# KiCad board protoboard-6x4-breakout.kicad_pcb (continued)
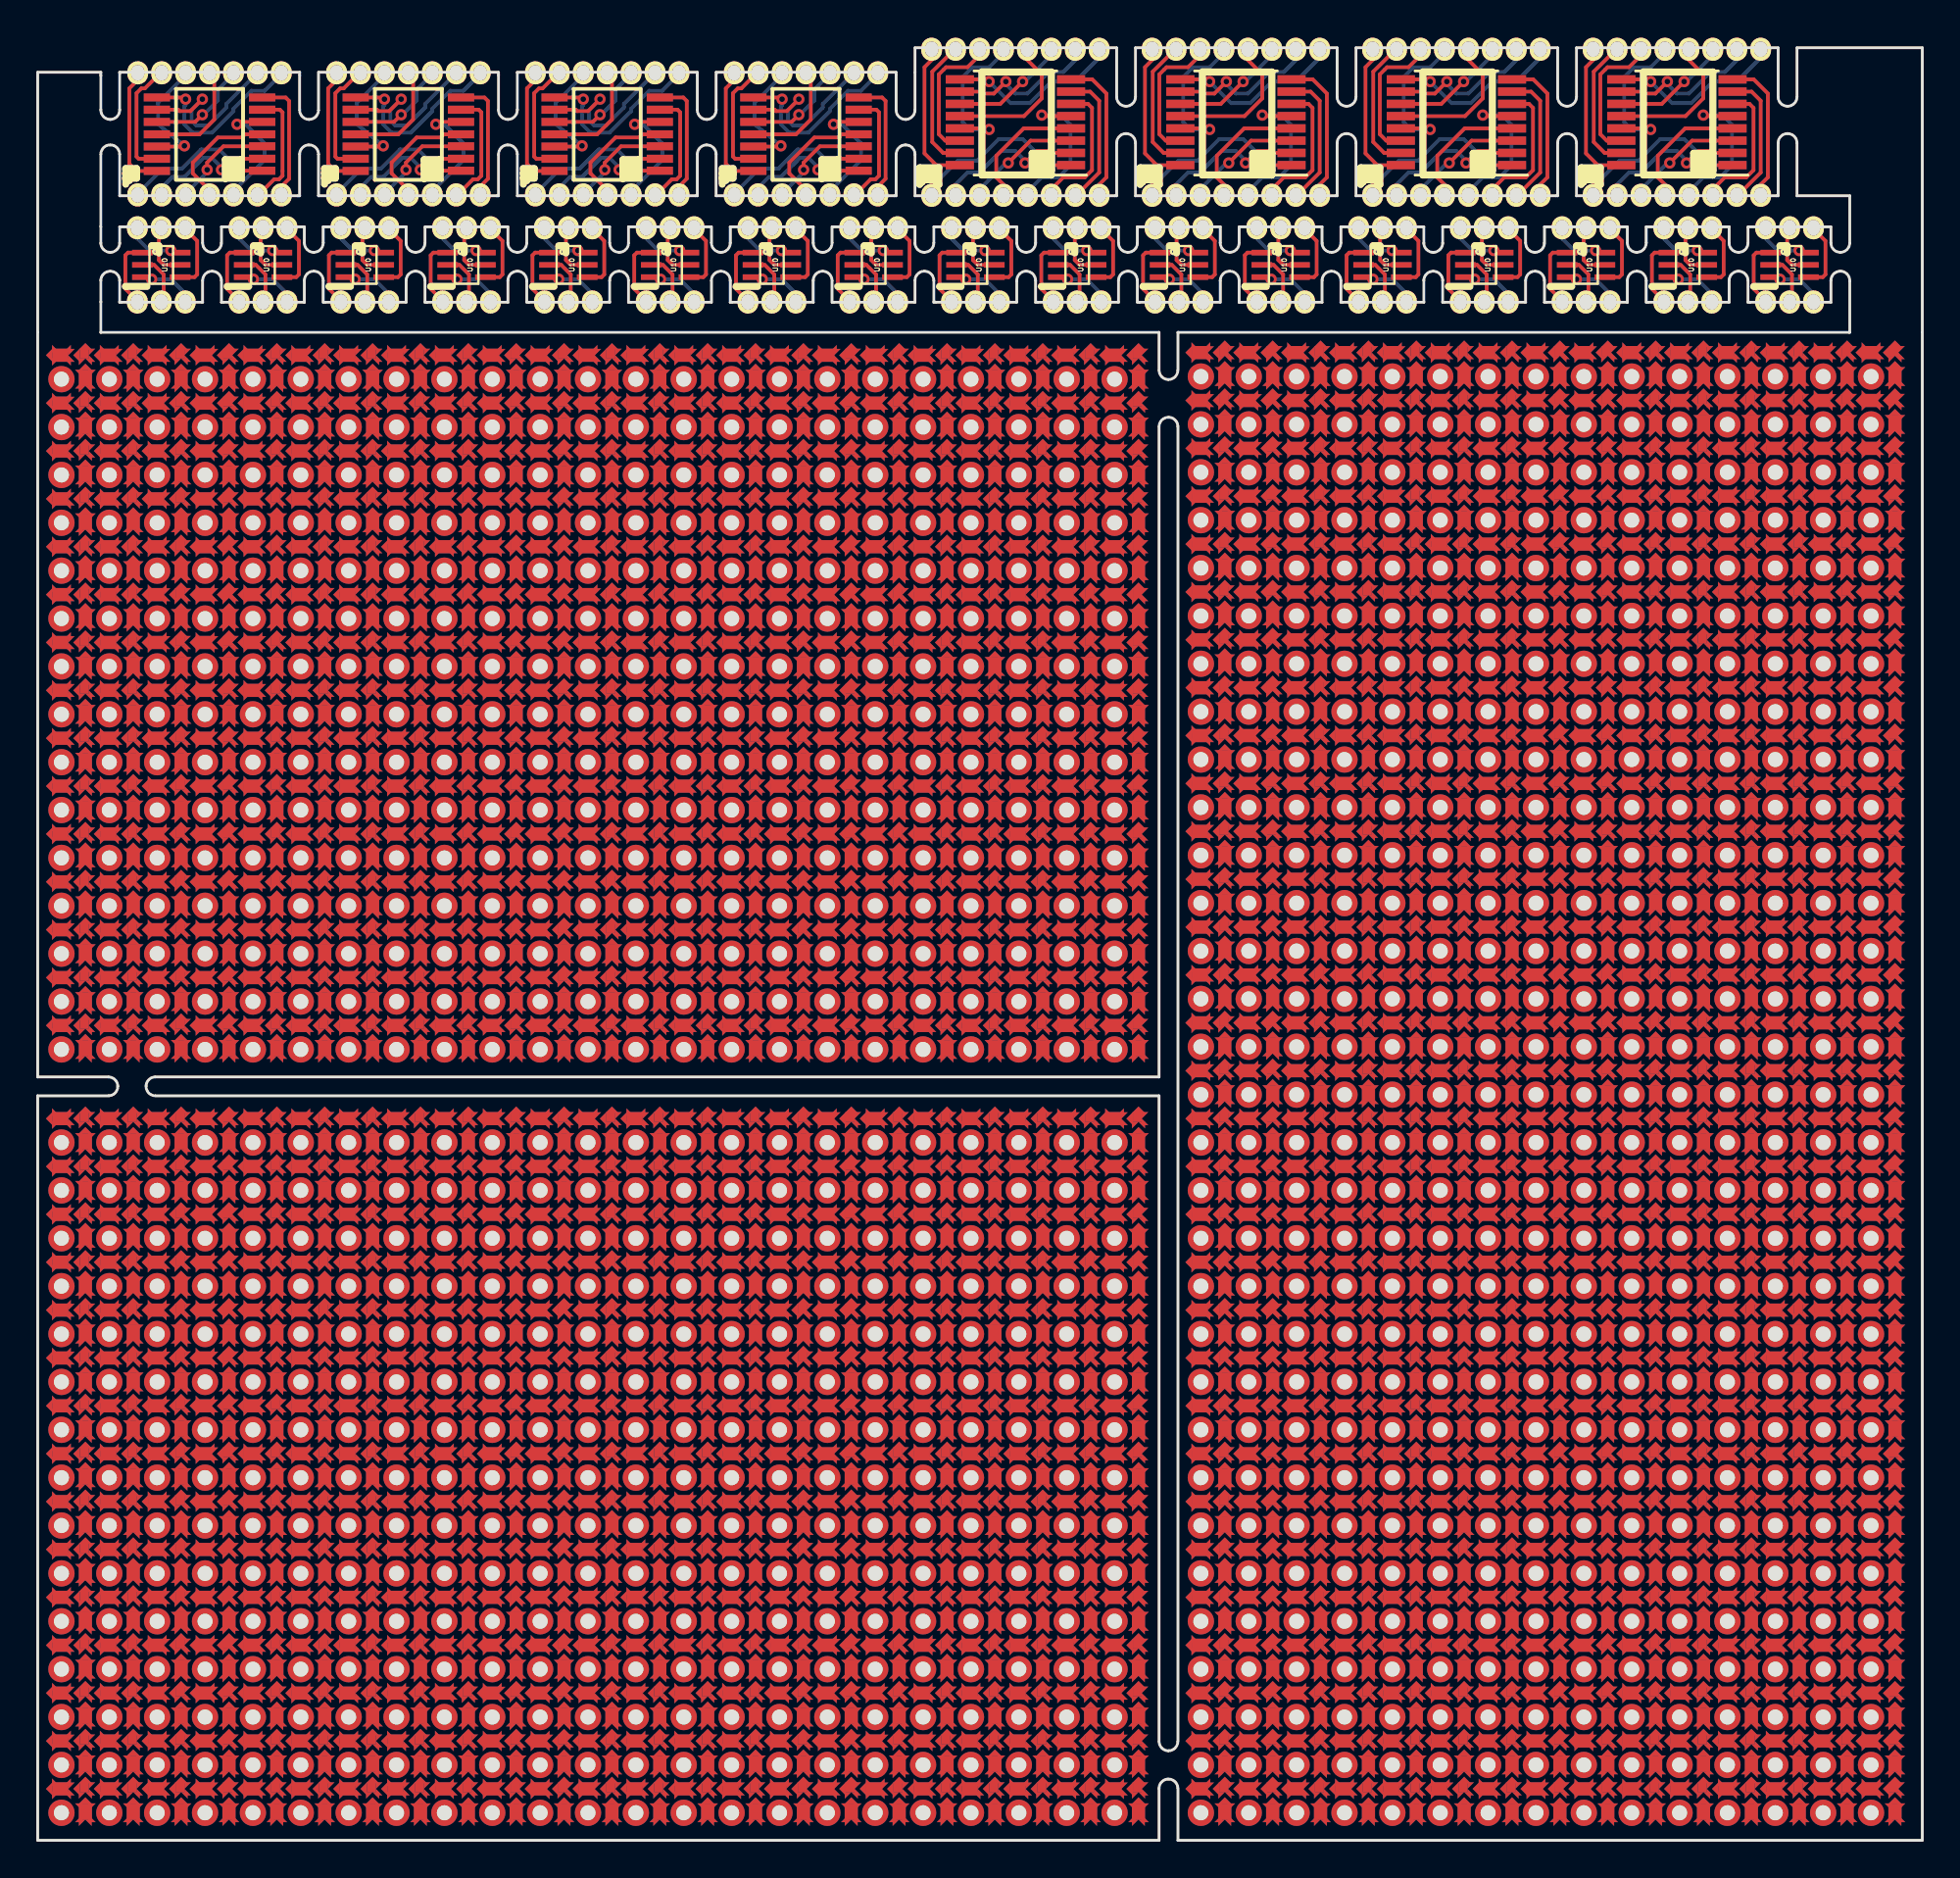
[diagram p0: board, top side]
## Nets (continued)
 REF**#2936 1; REF**#2937 1; REF**#2938 1; REF**#2939 1; REF**#2940 1; REF**#2941 1; REF**#2942 1; REF**#2943 1; REF**#2944 1; REF**#2945 1; REF**#2946 1; REF**#2947 1; REF**#2948 1; REF**#2949 1; REF**#2950 1; REF**#2951 1; REF**#2952 1; REF**#2953 1; REF**#2954 1; REF**#2955 1; REF**#2956 1; REF**#2957 1; REF**#2958 1; REF**#2959 1; REF**#2960 1; REF**#2961 1; REF**#2962 1; REF**#2963 1; REF**#2964 1; REF**#2965 1; REF**#2966 1; REF**#2967 1; REF**#2968 1; REF**#2969 1; REF**#2970 1; REF**#2971 1; REF**#2972 1; REF**#2973 1; REF**#2974 1; REF**#2975 1; REF**#2976 1; REF**#2977 1; REF**#2978 1; REF**#2979 1; REF**#2980 1; REF**#2981 1; REF**#2982 1; REF**#2983 1; REF**#2984 1; REF**#2985 1; REF**#2986 1; REF**#2987 1; REF**#2988 1; REF**#2989 1; REF**#2990 1; REF**#2991 1; REF**#2992 1; REF**#2993 1; REF**#2994 1; REF**#2995 1; REF**#2996 1; REF**#2997 1; REF**#2998 1; REF**#2999 1; REF**#3000 1; REF**#3001 1; REF**#3002 1; REF**#3003 1; REF**#3004 1; REF**#3005 1; REF**#3006 1; REF**#3007 1; REF**#3008 1; REF**#3009 1; REF**#3010 1; REF**#3011 1; REF**#3012 1; REF**#3013 1; REF**#3014 1; REF**#3015 1; REF**#3016 1; REF**#3017 1; REF**#3018 1; REF**#3019 1; REF**#3020 1; REF**#3021 1; REF**#3022 1; REF**#3023 1; REF**#3024 1; REF**#3025 1; REF**#3026 1; REF**#3027 1; REF**#3028 1; REF**#3029 1; REF**#3030 1; REF**#3031 1; REF**#3032 1; REF**#3033 1; REF**#3034 1; REF**#3035 1; REF**#3036 1; REF**#3037 1; REF**#3038 1; REF**#3039 1; REF**#3040 1; REF**#3041 1; REF**#3042 1; REF**#3043 1; REF**#3044 1; REF**#3045 1; REF**#3046 1; REF**#3047 1; REF**#3048 1; REF**#3049 1; REF**#3050 1; REF**#3051 1; REF**#3052 1; REF**#3053 1; REF**#3054 1; REF**#3055 1; REF**#3056 1; REF**#3057 1; REF**#3058 1; REF**#3059 1; REF**#3060 1; REF**#3061 1; REF**#3062 1; REF**#3063 1; REF**#3064 1; REF**#3065 1; REF**#3066 1; REF**#3067 1; REF**#3068 1; REF**#3069 1; REF**#3070 1; REF**#3071 1; REF**#3072 1; REF**#3073 1; REF**#3074 1; REF**#3075 1; REF**#3076 1; REF**#3077 1; REF**#3078 1; REF**#3079 1; REF**#3080 1; REF**#3081 1; REF**#3082 1; REF**#3083 1; REF**#3084 1; REF**#3085 1; REF**#3086 1; REF**#3087 1; REF**#3088 1; REF**#3089 1; REF**#3090 1; REF**#3091 1; REF**#3092 1; REF**#3093 1; REF**#3094 1; REF**#3095 1; REF**#3096 1; REF**#3097 1; REF**#3098 1; REF**#3099 1; REF**#3100 1; REF**#3101 1; REF**#3102 1; REF**#3103 1; REF**#3104 1; REF**#3105 1; REF**#3106 1; REF**#3107 1; REF**#3108 1; REF**#3109 1; REF**#3110 1; REF**#3111 1; REF**#3112 1; REF**#3113 1; REF**#3114 1; REF**#3115 1; REF**#3116 1; REF**#3117 1; REF**#3118 1; REF**#3119 1; REF**#3120 1; REF**#3121 1; REF**#3122 1; REF**#3123 1; REF**#3124 1; REF**#3125 1; REF**#3126 1; REF**#3127 1; REF**#3128 1; REF**#3129 1; REF**#3130 1; REF**#3131 1; REF**#3132 1; REF**#3133 1; REF**#3134 1; REF**#3135 1; REF**#3136 1; REF**#3137 1; REF**#3138 1; REF**#3139 1; REF**#3140 1; REF**#3141 1; REF**#3142 1; REF**#3143 1; REF**#3144 1; REF**#3145 1; REF**#3146 1; REF**#3147 1; REF**#3148 1; REF**#3149 1; REF**#3150 1; REF**#3151 1; REF**#3152 1; REF**#3153 1; REF**#3154 1; REF**#3155 1; REF**#3156 1; REF**#3157 1; REF**#3158 1; REF**#3159 1; REF**#3160 1; REF**#3161 1; REF**#3162 1; REF**#3163 1; REF**#3164 1; REF**#3165 1; REF**#3166 1; REF**#3167 1; REF**#3168 1; REF**#3169 1; REF**#3170 1; REF**#3171 1; REF**#3172 1; REF**#3173 1; REF**#3174 1; REF**#3175 1; REF**#3176 1; REF**#3177 1; REF**#3178 1; REF**#3179 1; REF**#3180 1; REF**#3181 1; REF**#3182 1; REF**#3183 1; REF**#3184 1; REF**#3185 1; REF**#3186 1; REF**#3187 1; REF**#3188 1; REF**#3189 1; REF**#3190 1; REF**#3191 1; REF**#3192 1; REF**#3193 1; REF**#3194 1; REF**#3195 1; REF**#3196 1; REF**#3197 1; REF**#3198 1; REF**#3199 1; REF**#3200 1; REF**#3201 1; REF**#3202 1; REF**#3203 1; REF**#3204 1; REF**#3205 1; REF**#3206 1; REF**#3207 1; REF**#3208 1; REF**#3209 1; REF**#3210 1; REF**#3211 1; REF**#3212 1; REF**#3213 1; REF**#3214 1; REF**#3215 1; REF**#3216 1; REF**#3217 1; REF**#3218 1; REF**#3219 1; REF**#3220 1; REF**#3221 1; REF**#3222 1; REF**#3223 1; REF**#3224 1; REF**#3225 1; REF**#3226 1; REF**#3227 1; REF**#3228 1; REF**#3229 1; REF**#3230 1; REF**#3231 1; REF**#3232 1; REF**#3233 1; REF**#3234 1; REF**#3235 1; REF**#3236 1; REF**#3237 1; REF**#3238 1; REF**#3239 1; REF**#3240 1; REF**#3241 1; REF**#3242 1; REF**#3243 1; REF**#3244 1; REF**#3245 1; REF**#3246 1; REF**#3247 1; REF**#3248 1; REF**#3249 1; REF**#3250 1; REF**#3251 1; REF**#3252 1; REF**#3253 1; REF**#3254 1; REF**#3255 1; REF**#3256 1; REF**#3257 1; REF**#3258 1; REF**#3259 1; REF**#3260 1; REF**#3261 1; REF**#3262 1; REF**#3263 1; REF**#3264 1; REF**#3265 1; REF**#3266 1; REF**#3267 1; REF**#3268 1; REF**#3269 1; REF**#3270 1; REF**#3271 1; REF**#3272 1; REF**#3273 1; REF**#3274 1; REF**#3275 1; REF**#3276 1; REF**#3277 1; REF**#3278 1; REF**#3279 1; REF**#3280 1; REF**#3281 1; REF**#3282 1; REF**#3283 1; REF**#3284 1; REF**#3285 1; REF**#3286 1; REF**#3287 1; REF**#3288 1; REF**#3289 1; REF**#3290 1; REF**#3291 1; REF**#3292 1; REF**#3293 1; REF**#3294 1; REF**#3295 1; REF**#3296 1; REF**#3297 1; REF**#3298 1; REF**#3299 1; REF**#3300 1; REF**#3301 1; REF**#3302 1; REF**#3303 1; REF**#3304 1; REF**#3305 1; REF**#3306 1; REF**#3307 1; REF**#3308 1; REF**#3309 1; REF**#3310 1; REF**#3311 1; REF**#3312 1; REF**#3313 1; REF**#3314 1; REF**#3315 1; REF**#3316 1; REF**#3317 1; REF**#3318 1; REF**#3319 1; REF**#3320 1; REF**#3321 1; REF**#3322 1; REF**#3323 1; REF**#3324 1; REF**#3325 1; REF**#3326 1; REF**#3327 1; REF**#3328 1; REF**#3329 1; REF**#3330 1; REF**#3331 1; REF**#3332 1; REF**#3333 1; REF**#3334 1; REF**#3335 1; REF**#3336 1; REF**#3337 1; REF**#3338 1; REF**#3339 1; REF**#3340 1; REF**#3341 1; REF**#3342 1; REF**#3343 1; REF**#3344 1; REF**#3345 1; REF**#3346 1; REF**#3347 1; REF**#3348 1; REF**#3349 1; REF**#3350 1; REF**#3351 1; REF**#3352 1; REF**#3353 1; REF**#3354 1; REF**#3355 1; REF**#3356 1; REF**#3357 1; REF**#3358 1; REF**#3359 1; REF**#3360 1; REF**#3361 1; REF**#3362 1; REF**#3363 1; REF**#3364 1; REF**#3365 1; REF**#3366 1; REF**#3367 1; REF**#3368 1; REF**#3369 1; REF**#3370 1; REF**#3371 1; REF**#3372 1; REF**#3373 1; REF**#3374 1; REF**#3375 1; REF**#3376 1; REF**#3377 1; REF**#3378 1; REF**#3379 1; REF**#3380 1; REF**#3381 1; REF**#3382 1; REF**#3383 1; REF**#3384 1; REF**#3385 1; REF**#3386 1; REF**#3387 1; REF**#3388 1; REF**#3389 1; REF**#3390 1; REF**#3391 1; REF**#3392 1; REF**#3393 1; REF**#3394 1; REF**#3395 1; REF**#3396 1; REF**#3397 1; REF**#3398 1; REF**#3399 1; REF**#3400 1; REF**#3401 1; REF**#3402 1; REF**#3403 1; REF**#3404 1; REF**#3405 1; REF**#3406 1; REF**#3407 1; REF**#3408 1; REF**#3409 1; REF**#3410 1; REF**#3411 1; REF**#3412 1; REF**#3413 1; REF**#3414 1; REF**#3415 1; REF**#3416 1; REF**#3417 1; REF**#3418 1; REF**#3419 1; REF**#3420 1; REF**#3421 1; REF**#3422 1; REF**#3423 1; REF**#3424 1; REF**#3425 1; REF**#3426 1; REF**#3427 1; REF**#3428 1; REF**#3429 1; REF**#3430 1; REF**#3431 1; REF**#3432 1; REF**#3433 1; REF**#3434 1; REF**#3435 1; REF**#3436 1; REF**#3437 1; REF**#3438 1; REF**#3439 1; REF**#3440 1; REF**#3441 1; REF**#3442 1; REF**#3443 1; REF**#3444 1; REF**#3445 1; REF**#3446 1; REF**#3447 1; REF**#3448 1; REF**#3449 1; REF**#3450 1; REF**#3451 1; REF**#3452 1; REF**#3453 1; REF**#3454 1; REF**#3455 1; REF**#3456 1; REF**#3457 1; REF**#3458 1; REF**#3459 1; REF**#3460 1; REF**#3461 1; REF**#3462 1; REF**#3463 1; REF**#3464 1; REF**#3465 1; REF**#3466 1; REF**#3467 1; REF**#3468 1; REF**#3469 1; REF**#3470 1; REF**#3471 1; REF**#3472 1; REF**#3473 1; REF**#3474 1; REF**#3475 1; REF**#3476 1; REF**#3477 1; REF**#3478 1; REF**#3479 1; REF**#3480 1; REF**#3481 1; REF**#3482 1; REF**#3483 1; REF**#3484 1; REF**#3485 1; REF**#3486 1; REF**#3487 1; REF**#3488 1; REF**#3489 1; REF**#3490 1; REF**#3491 1; REF**#3492 1; REF**#3493 1; REF**#3494 1; REF**#3495 1; REF**#3496 1; REF**#3497 1; REF**#3498 1; REF**#3499 1; REF**#3500 1; REF**#3501 1; REF**#3502 1; REF**#3503 1; REF**#3504 1; REF**#3505 1; REF**#3506 1; REF**#3507 1; REF**#3508 1; REF**#3509 1; REF**#3510 1; REF**#3511 1; REF**#3512 1; REF**#3513 1; REF**#3514 1; REF**#3515 1; REF**#3516 1; REF**#3517 1; REF**#3518 1; REF**#3519 1; REF**#3520 1; REF**#3521 1; REF**#3522 1; REF**#3523 1; REF**#3524 1; REF**#3525 1; REF**#3526 1; REF**#3527 1; REF**#3528 1; REF**#3529 1; REF**#3530 1; REF**#3531 1; REF**#3532 1; REF**#3533 1; REF**#3534 1; REF**#3535 1; REF**#3536 1; REF**#3537 1; REF**#3538 1; REF**#3539 1; REF**#3540 1; REF**#3541 1; REF**#3542 1; REF**#3543 1; REF**#3544 1; REF**#3545 1; REF**#3546 1; REF**#3547 1; REF**#3548 1; REF**#3549 1; REF**#3550 1; REF**#3551 1; REF**#3552 1; REF**#3553 1; REF**#3554 1; REF**#3555 1; REF**#3556 1; REF**#3557 1; REF**#3558 1; REF**#3559 1; REF**#3560 1; REF**#3561 1; REF**#3562 1; REF**#3563 1; REF**#3564 1; REF**#3565 1; REF**#3566 1; REF**#3567 1; REF**#3568 1; REF**#3569 1; REF**#3570 1; REF**#3571 1; REF**#3572 1; REF**#3573 1; REF**#3574 1; REF**#3575 1; REF**#3576 1; REF**#3577 1; REF**#3578 1; REF**#3579 1; REF**#3580 1; REF**#3581 1; REF**#3582 1; REF**#3583 1; REF**#3584 1; REF**#3585 1; REF**#3586 1; REF**#3587 1; REF**#3588 1; REF**#3589 1; REF**#3590 1; REF**#3591 1; REF**#3592 1; REF**#3593 1; REF**#3594 1; REF**#3595 1; REF**#3596 1; REF**#3597 1; REF**#3598 1; REF**#3599 1; REF**#3600 1; REF**#3601 1; REF**#3602 1; REF**#3603 1; REF**#3604 1; REF**#3605 1; REF**#3606 1; REF**#3607 1; REF**#3608 1; REF**#3609 1; REF**#3610 1; REF**#3611 1; REF**#3612 1; REF**#3613 1; REF**#3614 1; REF**#3615 1; REF**#3616 1; REF**#3617 1; REF**#3618 1; REF**#3619 1; REF**#3620 1; REF**#3621 1; REF**#3622 1; REF**#3623 1; REF**#3624 1; REF**#3625 1; REF**#3626 1; REF**#3627 1; REF**#3628 1; REF**#3629 1; REF**#3630 1; REF**#3631 1; REF**#3632 1; REF**#3633 1; REF**#3634 1; REF**#3635 1; REF**#3636 1; REF**#3637 1; REF**#3638 1; REF**#3639 1; REF**#3640 1; REF**#3641 1; REF**#3642 1; REF**#3643 1; REF**#3644 1; REF**#3645 1; REF**#3646 1; REF**#3647 1; REF**#3648 1; REF**#3649 1; REF**#3650 1; REF**#3651 1; REF**#3652 1; REF**#3653 1; REF**#3654 1; REF**#3655 1; REF**#3656 1; REF**#3657 1; REF**#3658 1; REF**#3659 1; REF**#3660 1; REF**#3661 1; REF**#3662 1; REF**#3663 1; REF**#3664 1; REF**#3665 1; REF**#3666 1; REF**#3667 1; REF**#3668 1; REF**#3669 1; REF**#3670 1; REF**#3671 1; REF**#3672 1; REF**#3673 1; REF**#3674 1; REF**#3675 1; REF**#3676 1; REF**#3677 1; REF**#3678 1; REF**#3679 1; REF**#3680 1; REF**#3681 1; REF**#3682 1; REF**#3683 1; REF**#3684 1; REF**#3685 1; REF**#3686 1; REF**#3687 1; REF**#3688 1; REF**#3689 1; REF**#3690 1; REF**#3691 1; REF**#3692 1; REF**#3693 1; REF**#3694 1; REF**#3695 1; REF**#3696 1; REF**#3697 1; REF**#3698 1; REF**#3699 1; REF**#3700 1; REF**#3701 1; REF**#3702 1; REF**#3703 1; REF**#3704 1; REF**#3705 1; REF**#3706 1; REF**#3707 1; REF**#3708 1; REF**#3709 1; REF**#3710 1; REF**#3711 1; REF**#3712 1; REF**#3713 1; REF**#3714 1; REF**#3715 1; REF**#3716 1; REF**#3717 1; REF**#3718 1; REF**#3719 1; REF**#3720 1; REF**#3721 1; REF**#3722 1; REF**#3723 1; REF**#3724 1; REF**#3725 1; REF**#3726 1; REF**#3727 1; REF**#3728 1; REF**#3729 1; REF**#3730 1; REF**#3731 1; REF**#3732 1; REF**#3733 1; REF**#3734 1; REF**#3735 1; REF**#3736 1; REF**#3737 1; REF**#3738 1; REF**#3739 1; REF**#3740 1; REF**#3741 1; REF**#3742 1; REF**#3743 1; REF**#3744 1; REF**#3745 1; REF**#3746 1; REF**#3747 1; REF**#3748 1; REF**#3749 1; REF**#3750 1; REF**#3751 1; REF**#3752 1; REF**#3753 1; REF**#3754 1; REF**#3755 1; REF**#3756 1; REF**#3757 1; REF**#3758 1; REF**#3759 1; REF**#3760 1; REF**#3761 1; REF**#3762 1; REF**#3763 1; REF**#3764 1; REF**#3765 1; REF**#3766 1; REF**#3767 1; REF**#3768 1; REF**#3769 1; REF**#3770 1; REF**#3771 1; REF**#3772 1; REF**#3773 1; REF**#3774 1; REF**#3775 1; REF**#3776 1; REF**#3777 1; REF**#3778 1; REF**#3779 1; REF**#3780 1; REF**#3781 1; REF**#3782 1; REF**#3783 1; REF**#3784 1; REF**#3785 1; REF**#3786 1; REF**#3787 1; REF**#3788 1; REF**#3789 1; REF**#3790 1; REF**#3791 1; REF**#3792 1; REF**#3793 1; REF**#3794 1; REF**#3795 1; REF**#3796 1; REF**#3797 1; REF**#3798 1; REF**#3799 1; REF**#3800 1; REF**#3801 1; REF**#3802 1; REF**#3803 1; REF**#3804 1; REF**#3805 1; REF**#3806 1; REF**#3807 1; REF**#3808 1; REF**#3809 1; REF**#3810 1; REF**#3811 1; REF**#3812 1; REF**#3813 1; REF**#3814 1; REF**#3815 1; REF**#3816 1; REF**#3817 1; REF**#3818 1; REF**#3819 1; REF**#3820 1; REF**#3821 1; REF**#3822 1; REF**#3823 1; REF**#3824 1; REF**#3825 1; REF**#3826 1; REF**#3827 1; REF**#3828 1; REF**#3829 1; REF**#3830 1; REF**#3831 1; REF**#3832 1; REF**#3833 1; REF**#3834 1; REF**#3835 1; REF**#3836 1; REF**#3837 1; REF**#3838 1; REF**#3839 1; REF**#3840 1; REF**#3841 1; REF**#3842 1; REF**#3843 1; REF**#3844 1; REF**#3845 1; REF**#3846 1; REF**#3847 1; REF**#3848 1; REF**#3849 1; REF**#3850 1; REF**#3851 1; REF**#3852 1; REF**#3853 1; REF**#3854 1; REF**#3855 1; REF**#3856 1; REF**#3857 1; REF**#3858 1; REF**#3859 1; REF**#3860 1; REF**#3861 1; REF**#3862 1; REF**#3863 1; REF**#3864 1; REF**#3865 1; REF**#3866 1; REF**#3867 1; REF**#3868 1; REF**#3869 1; REF**#3870 1; REF**#3871 1; REF**#3872 1; REF**#3873 1; REF**#3874 1; REF**#3875 1; REF**#3876 1; REF**#3877 1; REF**#3878 1; REF**#3879 1; REF**#3880 1; REF**#3881 1; REF**#3882 1; REF**#3883 1; REF**#3884 1; REF**#3885 1; REF**#3886 1; REF**#3887 1; REF**#3888 1; REF**#3889 1; REF**#3890 1; REF**#3891 1; REF**#3892 1; REF**#3893 1; REF**#3894 1; REF**#3895 1; REF**#3896 1; REF**#3897 1; REF**#3898 1; REF**#3899 1; REF**#3900 1; REF**#3901 1; REF**#3902 1; REF**#3903 1; REF**#3904 1; REF**#3905 1; REF**#3906 1; REF**#3907 1; REF**#3908 1; REF**#3909 1; REF**#3910 1; REF**#3911 1; REF**#3912 1; REF**#3913 1; REF**#3914 1; REF**#3915 1; REF**#3916 1; REF**#3917 1; REF**#3918 1; REF**#3919 1; REF**#3920 1; REF**#3921 1; REF**#3922 1; REF**#3923 1; REF**#3924 1; REF**#3925 1; REF**#3926 1; REF**#3927 1; REF**#3928 1; REF**#3929 1; REF**#3930 1; REF**#3931 1; REF**#3932 1; REF**#3933 1; REF**#3934 1; REF**#3935 1; REF**#3936 1; REF**#3937 1; REF**#3938 1; REF**#3939 1; REF**#3940 1; REF**#3941 1; REF**#3942 1; REF**#3943 1; REF**#3944 1; REF**#3945 1; REF**#3946 1; REF**#3947 1; REF**#3948 1; REF**#3949 1; REF**#3950 1; REF**#3951 1; REF**#3952 1; REF**#3953 1; REF**#3954 1; REF**#3955 1; REF**#3956 1; REF**#3957 1; REF**#3958 1; REF**#3959 1; REF**#3960 1; REF**#3961 1; REF**#3962 1; REF**#3963 1; REF**#3964 1; REF**#3965 1; REF**#3966 1; REF**#3967 1; REF**#3968 1; REF**#3969 1; REF**#3970 1; REF**#3971 1; REF**#3972 1; REF**#3973 1; REF**#3974 1; REF**#3975 1; REF**#3976 1; REF**#3977 1; REF**#3978 1; REF**#3979 1; REF**#3980 1; REF**#3981 1; REF**#3982 1; REF**#3983 1; REF**#3984 1; REF**#3985 1; REF**#3986 1; REF**#3987 1; REF**#3988 1; REF**#3989 1; REF**#3990 1; REF**#3991 1; REF**#3992 1; REF**#3993 1; REF**#3994 1; REF**#3995 1; REF**#3996 1; REF**#3997 1; REF**#3998 1; REF**#3999 1; REF**#4000 1; REF**#4001 1; REF**#4002 1; REF**#4003 1; REF**#4004 1; REF**#4005 1; REF**#4006 1; REF**#4007 1; REF**#4008 1; REF**#4009 1; REF**#4010 1; REF**#4011 1; REF**#4012 1; REF**#4013 1; REF**#4014 1; REF**#4015 1; REF**#4016 1; REF**#4017 1; REF**#4018 1; REF**#4019 1; REF**#4020 1; REF**#4021 1; REF**#4022 1; REF**#4023 1; REF**#4024 1; REF**#4025 1; REF**#4026 1; REF**#4027 1; REF**#4028 1; REF**#4029 1; REF**#4030 1; REF**#4031 1; REF**#4032 1; REF**#4033 1; REF**#4034 1; REF**#4035 1; REF**#4036 1; REF**#4037 1; REF**#4038 1; REF**#4039 1; REF**#4040 1; REF**#4041 1; REF**#4042 1; REF**#4043 1; REF**#4044 1; REF**#4045 1; REF**#4046 1; REF**#4047 1; REF**#4048 1; REF**#4049 1; REF**#4050 1; REF**#4051 1; REF**#4052 1; REF**#4053 1; REF**#4054 1; REF**#4055 1; REF**#4056 1; REF**#4057 1; REF**#4058 1; REF**#4059 1; REF**#4060 1; REF**#4061 1; REF**#4062 1; REF**#4063 1; REF**#4064 1; REF**#4065 1; REF**#4066 1; REF**#4067 1; REF**#4068 1; REF**#4069 1; REF**#4070 1; REF**#4071 1; REF**#4072 1; REF**#4073 1; REF**#4074 1; REF**#4075 1; REF**#4076 1; REF**#4077 1; REF**#4078 1; REF**#4079 1; REF**#4080 1; REF**#4081 1; REF**#4082 1; REF**#4083 1; REF**#4084 1; REF**#4085 1; REF**#4086 1; REF**#4087 1; REF**#4088 1; REF**#4089 1; REF**#4090 1; REF**#4091 1; REF**#4092 1; REF**#4093 1; REF**#4094 1; REF**#4095 1; REF**#4096 1; REF**#4097 1; REF**#4098 1; REF**#4099 1; REF**#4100 1; REF**#4101 1; REF**#4102 1; REF**#4103 1; REF**#4104 1; REF**#4105 1; REF**#4106 1; REF**#4107 1; REF**#4108 1; REF**#4109 1; REF**#4110 1; REF**#4111 1; REF**#4112 1; REF**#4113 1; REF**#4114 1; REF**#4115 1; REF**#4116 1; REF**#4117 1; REF**#4118 1; REF**#4119 1; REF**#4120 1; REF**#4121 1; REF**#4122 1; REF**#4123 1; REF**#4124 1; REF**#4125 1; REF**#4126 1; REF**#4127 1; REF**#4128 1; REF**#4129 1; REF**#4130 1; REF**#4131 1; REF**#4132 1; REF**#4133 1; REF**#4134 1; REF**#4135 1; REF**#4136 1; REF**#4137 1; REF**#4138 1; REF**#4139 1; REF**#4140 1; REF**#4141 1; REF**#4142 1; REF**#4143 1; REF**#4144 1; REF**#4145 1; REF**#4146 1; REF**#4147 1; REF**#4148 1; REF**#4149 1; REF**#4150 1; REF**#4151 1; REF**#4152 1; REF**#4153 1; REF**#4154 1; REF**#4155 1; REF**#4156 1; REF**#4157 1; REF**#4158 1; REF**#4159 1; REF**#4160 1; REF**#4161 1; REF**#4162 1; REF**#4163 1; REF**#4164 1; REF**#4165 1; REF**#4166 1; REF**#4167 1; REF**#4168 1; REF**#4169 1; REF**#4170 1; REF**#4171 1; REF**#4172 1; REF**#4173 1; REF**#4174 1; REF**#4175 1; REF**#4176 1; REF**#4177 1; REF**#4178 1; REF**#4179 1; REF**#4180 1; REF**#4181 1; REF**#4182 1; REF**#4183 1; REF**#4184 1; REF**#4185 1; REF**#4186 1; REF**#4187 1; REF**#4188 1; REF**#4189 1; REF**#4190 1; REF**#4191 1; REF**#4192 1; REF**#4193 1; REF**#4194 1; REF**#4195 1; REF**#4196 1; REF**#4197 1; REF**#4198 1; REF**#4199 1; REF**#4200 1; REF**#4201 1; REF**#4202 1; REF**#4203 1; REF**#4204 1; REF**#4205 1; REF**#4206 1; REF**#4207 1; REF**#4208 1; REF**#4209 1; REF**#4210 1; REF**#4211 1; REF**#4212 1; REF**#4213 1; REF**#4214 1; REF**#4215 1; REF**#4216 1; REF**#4217 1; REF**#4218 1; REF**#4219 1; REF**#4220 1; REF**#4221 1; REF**#4222 1; REF**#4223 1; REF**#4224 1; REF**#4225 1; REF**#4226 1; REF**#4227 1; REF**#4228 1; REF**#4229 1; REF**#4230 1; REF**#4231 1; REF**#4232 1; REF**#4233 1; REF**#4234 1; REF**#4235 1; REF**#4236 1; REF**#4237 1; REF**#4238 1; REF**#4239 1; REF**#4240 1; REF**#4241 1; REF**#4242 1; REF**#4243 1; REF**#4244 1; REF**#4245 1; REF**#4246 1; REF**#4247 1; REF**#4248 1; REF**#4249 1; REF**#4250 1; REF**#4251 1; REF**#4252 1; REF**#4253 1; REF**#4254 1; REF**#4255 1; REF**#4256 1; REF**#4257 1; REF**#4258 1; REF**#4259 1; REF**#4260 1; REF**#4261 1; REF**#4262 1; REF**#4263 1; REF**#4264 1; REF**#4265 1; REF**#4266 1; REF**#4267 1; REF**#4268 1; REF**#4269 1; REF**#4270 1; REF**#4271 1; REF**#4272 1; REF**#4273 1; REF**#4274 1; REF**#4275 1; REF**#4276 1; REF**#4277 1; REF**#4278 1; REF**#4279 1; REF**#4280 1; REF**#4281 1; REF**#4282 1; REF**#4283 1; REF**#4284 1; REF**#4285 1; REF**#4286 1; REF**#4287 1; REF**#4288 1; REF**#4289 1; REF**#4290 1; REF**#4291 1; REF**#4292 1; REF**#4293 1; REF**#4294 1; REF**#4295 1; REF**#4296 1; REF**#4297 1; REF**#4298 1; REF**#4299 1; REF**#4300 1; REF**#4301 1; REF**#4302 1; REF**#4303 1; REF**#4304 1; REF**#4305 1; REF**#4306 1; REF**#4307 1; REF**#4308 1; REF**#4309 1; REF**#4310 1; REF**#4311 1; REF**#4312 1; REF**#4313 1; REF**#4314 1; REF**#4315 1; REF**#4316 1; REF**#4317 1; REF**#4318 1; REF**#4319 1; REF**#4320 1; REF**#4321 1; REF**#4322 1; REF**#4323 1; REF**#4324 1; REF**#4325 1; REF**#4326 1; REF**#4327 1; REF**#4328 1; REF**#4329 1; REF**#4330 1; REF**#4331 1; REF**#4332 1; REF**#4333 1; REF**#4334 1; REF**#4335 1; REF**#4336 1; REF**#4337 1; REF**#4338 1; REF**#4339 1; REF**#4340 1; REF**#4341 1; REF**#4342 1; REF**#4343 1; REF**#4344 1; REF**#4345 1; REF**#4346 1; REF**#4347 1; REF**#4348 1; REF**#4349 1; REF**#4350 1; REF**#4351 1; REF**#4352 1; REF**#4353 1; REF**#4354 1; REF**#4355 1; REF**#4356 1; REF**#4357 1; REF**#4358 1; REF**#4359 1; REF**#4360 1; REF**#4361 1; REF**#4362 1; REF**#4363 1; REF**#4364 1; REF**#4365 1; REF**#4366 1; REF**#4367 1; REF**#4368 1; REF**#4369 1; REF**#4370 1; REF**#4371 1; REF**#4372 1; REF**#4373 1; REF**#4374 1; REF**#4375 1; REF**#4376 1; REF**#4377 1; REF**#4378 1; REF**#4379 1; REF**#4380 1; REF**#4381 1; REF**#4382 1; REF**#4383 1; REF**#4384 1; REF**#4385 1; REF**#4386 1; REF**#4387 1; REF**#4388 1; REF**#4389 1; REF**#4390 1; REF**#4391 1; REF**#4392 1; REF**#4393 1; REF**#4394 1; REF**#4395 1; REF**#4396 1; REF**#4397 1; REF**#4398 1; REF**#4399 1; REF**#4400 1; REF**#4401 1; REF**#4402 1; REF**#4403 1; REF**#4404 1; REF**#4405 1; REF**#4406 1; REF**#4407 1; REF**#4408 1; REF**#4409 1; REF**#4410 1; REF**#4411 1; REF**#4412 1; REF**#4413 1; REF**#4414 1; REF**#4415 1; REF**#4416 1; REF**#4417 1; REF**#4418 1; REF**#4419 1; REF**#4420 1; REF**#4421 1; REF**#4422 1; REF**#4423 1; REF**#4424 1; REF**#4425 1; REF**#4426 1; REF**#4427 1; REF**#4428 1; REF**#4429 1; REF**#4430 1; REF**#4431 1; REF**#4432 1; REF**#4433 1; REF**#4434 1; REF**#4435 1; REF**#4436 1; REF**#4437 1; REF**#4438 1; REF**#4439 1; REF**#4440 1; REF**#4441 1; REF**#4442 1; REF**#4443 1; REF**#4444 1; REF**#4445 1; REF**#4446 1; REF**#4447 1; REF**#4448 1; REF**#4449 1; REF**#4450 1; REF**#4451 1; REF**#4452 1; REF**#4453 1; REF**#4454 1; REF**#4455 1; REF**#4456 1; REF**#4457 1; REF**#4458 1; REF**#4459 1; REF**#4460 1; REF**#4461 1; REF**#4462 1; REF**#4463 1; REF**#4464 1; REF**#4465 1; REF**#4466 1; REF**#4467 1; REF**#4468 1; REF**#4469 1; REF**#4470 1; REF**#4471 1; REF**#4472 1; REF**#4473 1; REF**#4474 1; REF**#4475 1; REF**#4476 1; REF**#4477 1; REF**#4478 1; REF**#4479 1; REF**#4480 1; REF**#4481 1; REF**#4482 1; REF**#4483 1; REF**#4484 1; REF**#4485 1; REF**#4486 1; REF**#4487 1; REF**#4488 1; REF**#4489 1; REF**#4490 1; REF**#4491 1; REF**#4492 1; REF**#4493 1; REF**#4494 1; REF**#4495 1; REF**#4496 1; REF**#4497 1; REF**#4498 1; REF**#4499 1; REF**#4500 1; REF**#4501 1; REF**#4502 1; REF**#4503 1; REF**#4504 1; REF**#4505 1; REF**#4506 1; REF**#4507 1; REF**#4508 1; REF**#4509 1; REF**#4510 1; REF**#4511 1; REF**#4512 1; REF**#4513 1; REF**#4514 1; REF**#4515 1; REF**#4516 1; REF**#4517 1; REF**#4518 1; REF**#4519 1; REF**#4520 1; REF**#4521 1; REF**#4522 1; REF**#4523 1; REF**#4524 1; REF**#4525 1; REF**#4526 1; REF**#4527 1; REF**#4528 1; REF**#4529 1; REF**#4530 1; REF**#4531 1; REF**#4532 1; REF**#4533 1; REF**#4534 1; REF**#4535 1; REF**#4536 1; REF**#4537 1; REF**#4538 1; REF**#4539 1; REF**#4540 1; REF**#4541 1; REF**#4542 1; REF**#4543 1; REF**#4544 1; REF**#4545 1; REF**#4546 1; REF**#4547 1; REF**#4548 1; REF**#4549 1; REF**#4550 1; REF**#4551 1; REF**#4552 1; REF**#4553 1; REF**#4554 1; REF**#4555 1; REF**#4556 1; REF**#4557 1; REF**#4558 1; REF**#4559 1; REF**#4560 1; REF**#4561 1; REF**#4562 1; REF**#4563 1; REF**#4564 1; REF**#4565 1; REF**#4566 1; REF**#4567 1; REF**#4568 1; REF**#4569 1; REF**#4570 1; REF**#4571 1; REF**#4572 1; REF**#4573 1; REF**#4574 1; REF**#4575 1; REF**#4576 1; REF**#4577 1; REF**#4578 1; REF**#4579 1; REF**#4580 1; REF**#4581 1; REF**#4582 1; REF**#4583 1; REF**#4584 1; REF**#4585 1; REF**#4586 1; REF**#4587 1; REF**#4588 1; REF**#4589 1; REF**#4590 1; REF**#4591 1; REF**#4592 1; REF**#4593 1; REF**#4594 1; REF**#4595 1; REF**#4596 1; REF**#4597 1; REF**#4598 1; REF**#4599 1; REF**#4600 1; REF**#4601 1; REF**#4602 1; REF**#4603 1; REF**#4604 1; REF**#4605 1; REF**#4606 1; REF**#4607 1; REF**#4608 1; REF**#4609 1; REF**#4610 1; REF**#4611 1; REF**#4612 1; REF**#4613 1; REF**#4614 1; REF**#4615 1; REF**#4616 1; REF**#4617 1; REF**#4618 1; REF**#4619 1; REF**#4620 1; U10 1 2 3 4 5 6; U10#2 1 2 3 4 5 6; U10#3 1 2 3 4 5 6; U10#4 1 2 3 4 5 6; U10#5 1 2 3 4 5 6; U10#6 1 2 3 4 5 6; U10#7 1 2 3 4 5 6; U10#8 1 2 3 4 5 6; U10#9 1 2 3 4 5 6; U10#10 1 2 3 4 5 6; U10#11 1 2 3 4 5 6; U10#12 1 2 3 4 5 6; U10#13 1 2 3 4 5 6; U10#14 1 2 3 4 5 6; U10#15 1 2 3 4 5 6; U10#16 1 2 3 4 5 6; U10#17 1 2 3 4 5 6
